# Altium PCB LPCXpresso55SXX.PcbDoc (part 1 of 4) (continued)
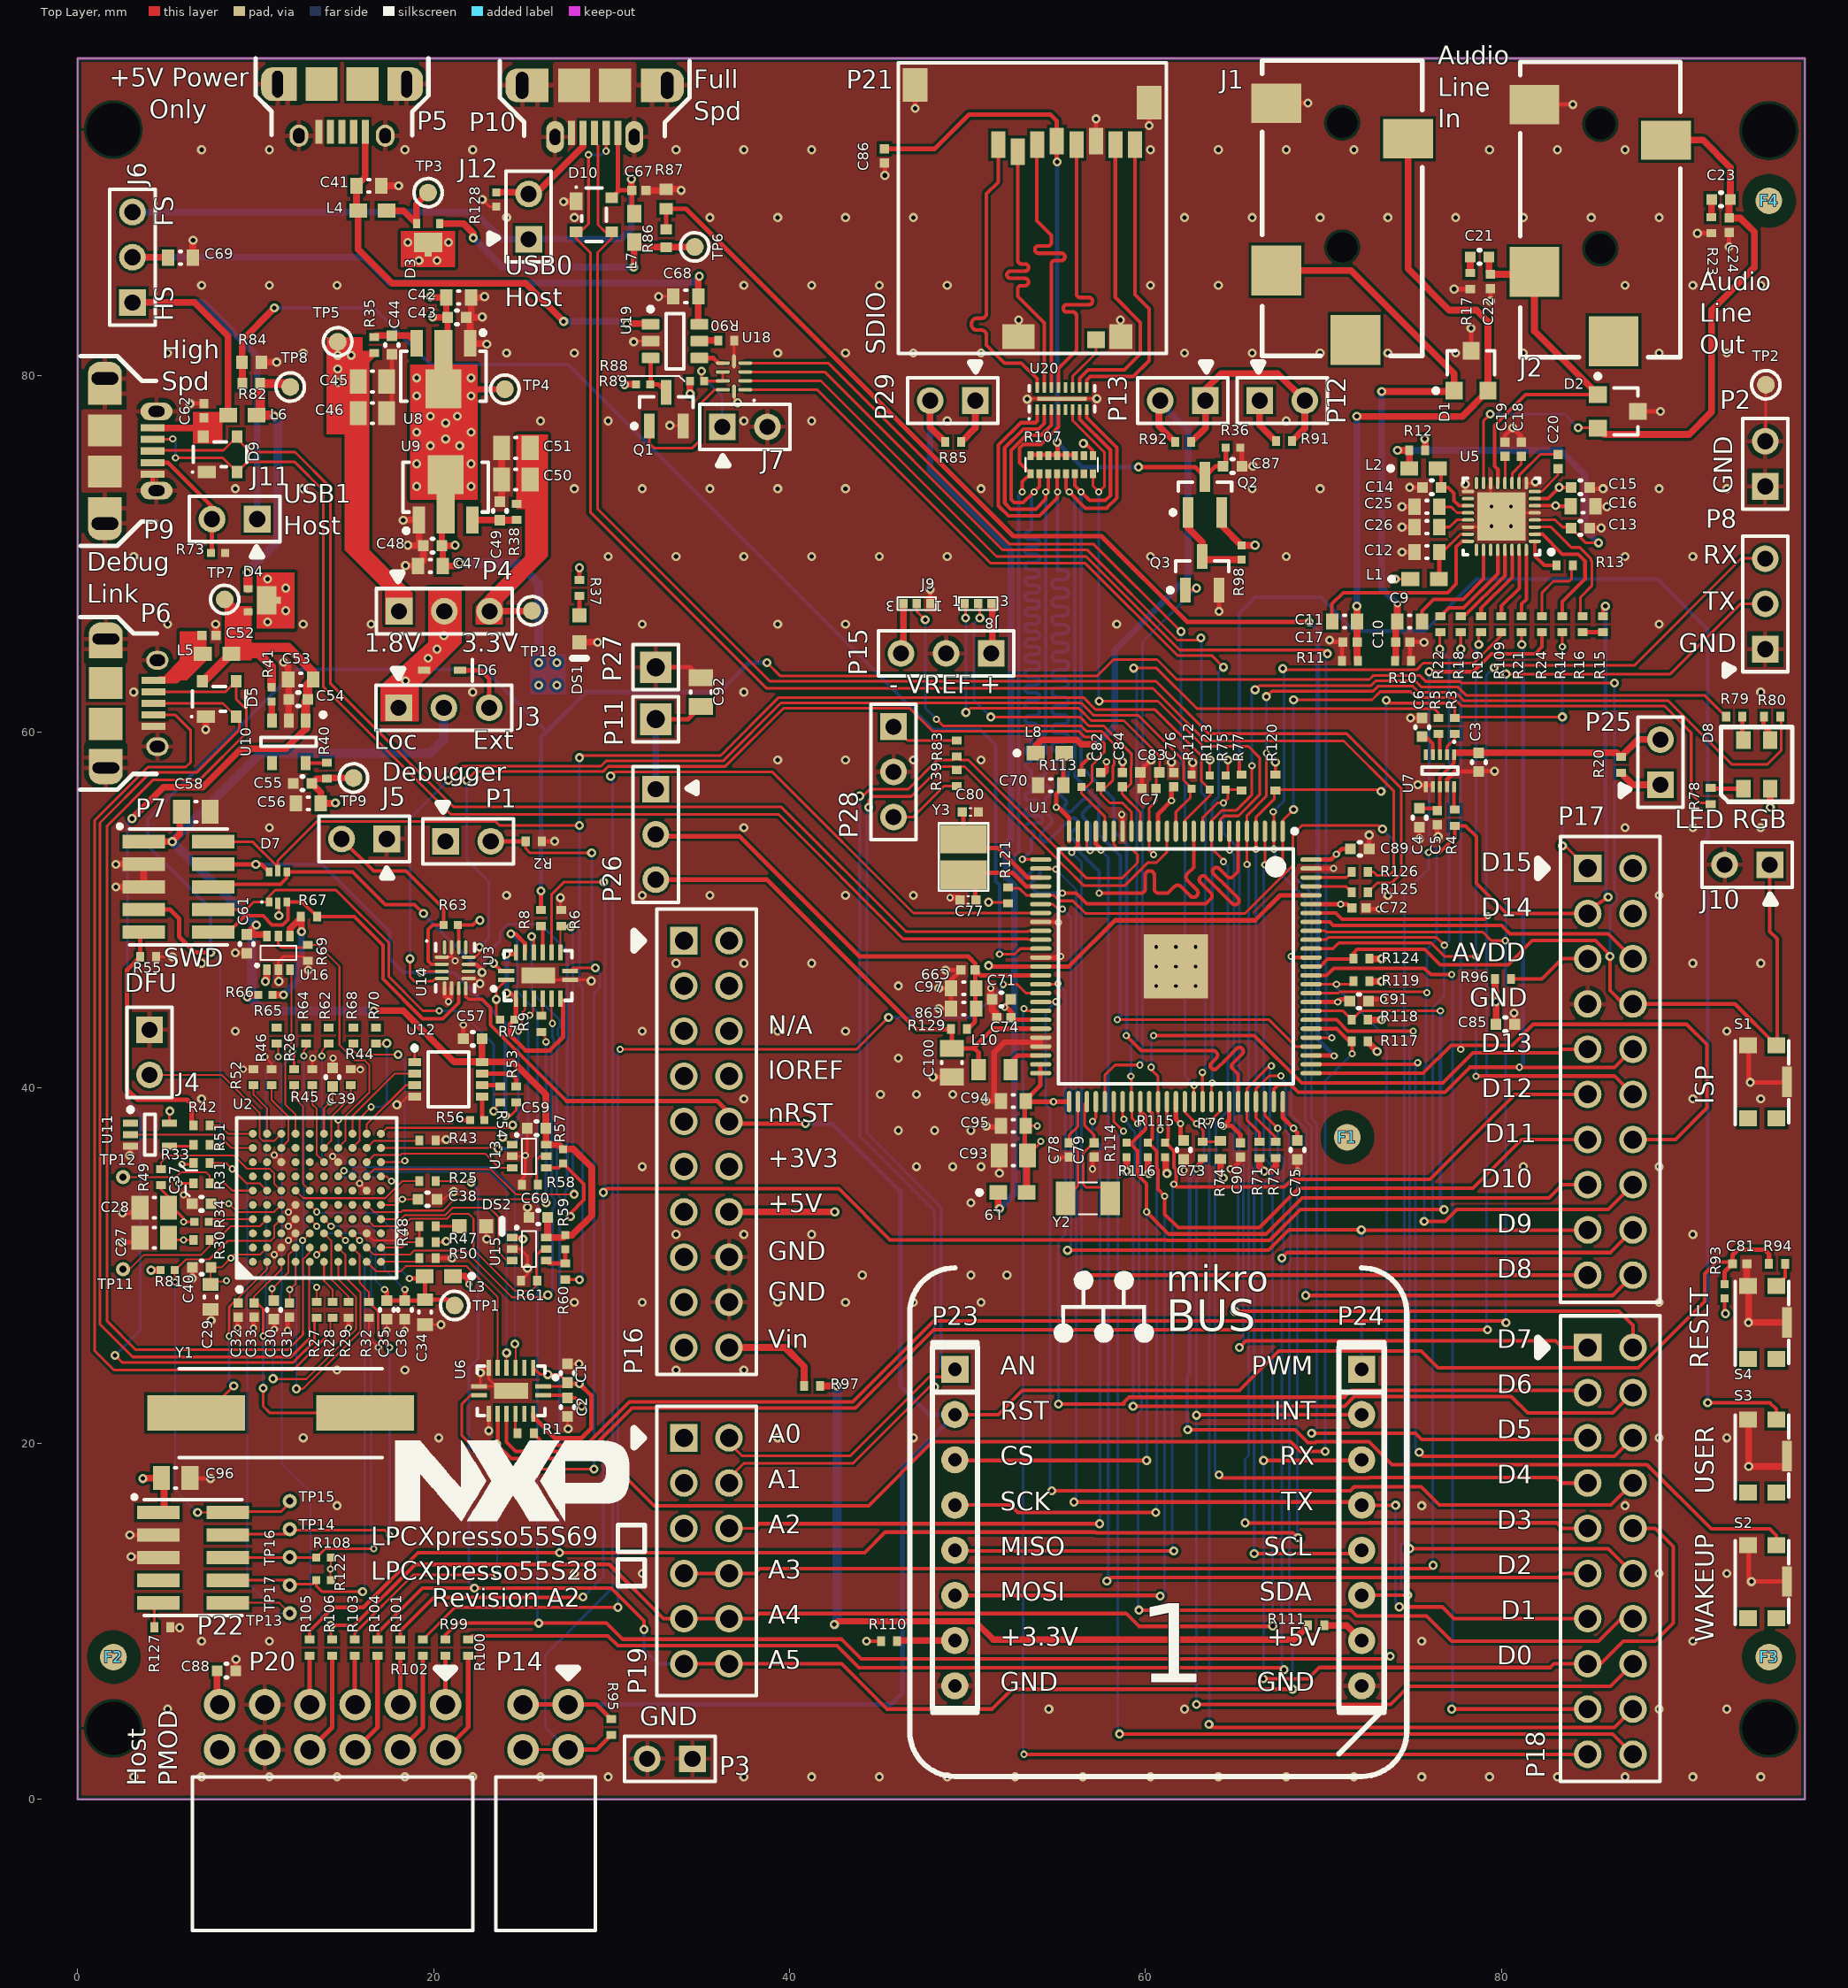
[diagram p0: Top Layer view]
## Components (designator, comment, footprint, x,y, rotation, side; value= is the part's Value field where it differs from the comment) (continued)
R26 "Jumper" RESC0402(1005)_L 12.16,40.588 r90 top value="0 Ohm"
R27 "470R 5% 0402(1005)" RESC0402(1005)_L 13.43,27.507 r270 top value="470 Ohm"
R28 "Jumper 0402(1005)" RESC0402(1005)_L 14.319,27.507 r90 top value="0 Ohm"
R29 "12K1 1% 0402(1005)" RESC0402(1005)_L 15.208,27.507 r270 top value="12100 Ohm"
R30 "12K1 1% 0402(1005)" RESC0402(1005)_L 6.953,31.444 r180 top value="12100 Ohm"
R31 "12K1 1% 0402(1005)" RESC0402(1005)_L 6.953,34.619 r0 top value="12100 Ohm"
R32 "2K2 1% 0402(1005)" RESC0402(1005)_L 16.351,27.507 r90 top value="2200 Ohm"
R33 "12K1 1% 0402(1005)" RESC0402(1005)_L 6.953,35.762 r180 top value="12100 Ohm"
R34 "ERJ-2RKF1003X" RESC1005X40X25LL05T05 6.953,32.46 r0 top value="100K Ohm"
R35 "Jumper" RESC0402(1005)_L 16.662,81.737 r90 top value="0 Ohm"
R36 "ERJ-2RKF1003X" RESC1005X40X25LL05T05 64.922,75.971 r180 top value="100K Ohm"
R37 "2K2 1% 0402(1005)" RESC0402(1005)_L 28.194,68.09 r90 top value="2200 Ohm"
R38 "Jumper" RESC0402(1005)_L 24.663,72.365 r270 top value="0 Ohm"
R39 "Jumper" RESC0402(1005)_L 49.403,57.404 r270 top value="0 Ohm"
R40 "Jumper" RESC0402(1005)_L 13.995,57.81 r90 top value="0 Ohm"
R41 "ERJ-2RKF1003X" RESC1005X40X25LL05T05 10.897,62.103 r270 top value="100K Ohm"
R42 "1K5 1% 0402(1005)" RESC0402(1005)_L 6.953,37.87 r0 top value="1500 Ohm"
R43 "2K2 1% 0402(1005)" RESC0402(1005)_L 19.653,37.032 r180 top value="2200 Ohm"
R44 "2K2 1% 0402(1005)" RESC0402(1005)_L 15.335,40.588 r270 top value="2200 Ohm"
R45 "2K2 1% 0402(1005)" RESC0402(1005)_L 13.176,40.588 r270 top value="2200 Ohm"
R46 "2K2 1% 0402(1005)" RESC0402(1005)_L 10.89,40.588 r270 top value="2200 Ohm"
R47 "2K2 1% 0402(1005)" RESC0402(1005)_L 19.653,31.317 r0 top value="2200 Ohm"
R48 "2K2 1% 0402(1005)" RESC0402(1005)_L 19.653,32.206 r180 top value="2200 Ohm"
R49 "2K2 1% 0402(1005)" RESC0402(1005)_L 4.674,34.976 r270 top value="2200 Ohm"
R50 "2K2 1% 0402(1005)" RESC0402(1005)_L 19.653,30.428 r0 top value="2200 Ohm"
R51 "100R 5% 0402(1005)" RESC0402(1005)_L 6.953,36.778 r0 top value="100 Ohm"
R52 "2K2 1% 0402(1005)" RESC0402(1005)_L 9.874,40.588 r90 top value="2200 Ohm"
R53 "100R 5% 0402(1005)" RESC0402(1005)_L 24.638,39.624 r270 top value="100 Ohm"
R54 "100R 5% 0402(1005)" RESC0402(1005)_L 23.749,39.624 r270 top value="100 Ohm"
R55 "Jumper" RESC0402(1005)_L 3.949,47.346 r180 top value="0 Ohm"
R56 "ERJ-2RKF1003X" RESC1005X40X25LL05T05 22.447,38.175 r0 top value="100K Ohm"
R57 "ERJ-2RKF1003X" RESC1005X40X25LL05T05 27.273,36.143 r90 top value="100K Ohm"
R58 "Jumper 0402(1005)" RESC0402(1005)_L 25.4,34.544 r0 top value="0 Ohm"
R59 "ERJ-2RKF1003X" RESC1005X40X25LL05T05 27.4,31.317 r90 top value="100K Ohm"
R60 "100R 5% 0402(1005)" RESC0402(1005)_L 27.4,29.666 r270 top value="100 Ohm"
R61 "2K2 1% 0402(1005)" RESC0402(1005)_L 25.368,29.158 r0 top value="2200 Ohm"
R62 "Jumper" RESC0402(1005)_L 14.097,42.926 r90 top value="0 Ohm"
R63 "ERJ-2RKF1003X" RESC1005X40X25LL05T05 20.955,49.149 r0 top value="100K Ohm"
R64 "Jumper" RESC0402(1005)_L 12.827,42.926 r90 top value="0 Ohm"
R65 "Jumper" RESC0402(1005)_L 11.176,42.926 r90 top value="0 Ohm"
R66 "ERJ-2RKF1003X" RESC1005X40X25LL05T05 10.541,45.212 r180 top value="100K Ohm"
R67 "100R 5% 0402(1005)" RESC0402(1005)_L 12.991,49.605 r0 top value="100 Ohm"
R68 "Jumper" RESC0402(1005)_L 15.494,42.926 r90 top value="0 Ohm"
R69 "2K2 1% 0402(1005)" RESC0402(1005)_L 12.922,47.573 r90 top value="2200 Ohm"
R70 "Jumper" RESC0402(1005)_L 16.764,42.926 r90 top value="0 Ohm"
R71 "2K2 1% 0402(1005)" RESC0402(1005)_L 66.414,36.5 r270 top value="2200 Ohm"
R72 "2K2 1% 0402(1005)" RESC0402(1005)_L 67.329,36.5 r270 top value="2200 Ohm"
R73 "ERJ-2RKF1003X" RESC1005X40X25LL05T05 7.874,70.053 r180 top value="100K Ohm"
R74 "330K 1% 0402(1005)" RESC0402(1005)_N 64.205,36.5 r270 top value="330K Ohm"
R75 "ERJ-2RKF1003X" RESC1005X40X25LL05T05 64.516,57.15 r90 top value="100K Ohm"
R76 "100R 5% 0402(1005)" RESC0402(1005)_L 63.214,36.5 r90 top value="100 Ohm"
R77 "100R 5% 0402(1005)" RESC0402(1005)_L 65.405,57.15 r270 top value="100 Ohm"
R78 "270R 1% 0402(1005)" RESC0402(1005)_L 91.77,56.388 r90 top value="270 Ohm"
R79 "270R 1% 0402(1005)" RESC0402(1005)_L 93.091,60.858 r0 top value="270 Ohm"
R80 "499R 1% 0402(1005)" RESC0402(1005)_L 95.225,60.858 r180 top value="499 Ohm"
R81 "ERJ-2RKF1003X" RESC1005X40X25LL05T05 5.048,29.742 r180 top value="100K Ohm"
R82 "10K 1% 0402(1005)" RESC0402(1005)_N 9.754,79.572 r180 top value="10K Ohm"
R83 "Jumper" RESC0402(1005)_L 49.403,59.055 r90 top value="0 Ohm"
R84 "20K 1% 0402(1005)" RESC0402(1005)_M 9.779,80.772 r180 top value="20K Ohm"
R85 "Jumper" RESC0402(1005)_L 49.2,76.277 r180 top value="0 Ohm"
R86 "10K 1% 0402(1005)" RESC0402(1005)_N 33.071,87.732 r90 top value="10K Ohm"
R87 "20K 1% 0402(1005)" RESC0402(1005)_M 33.064,89.941 r270 top value="20K Ohm"
R88 "ERJ-2RKF1003X" RESC1005X40X25LL05T05 34.798,79.705 r180 top value="100K Ohm"
R89 "ERJ-2RKF1003X" RESC1005X40X25LL05T05 31.775,79.527 r180 top value="100K Ohm"
R90 "47K 1% 0402(1005)" RESC0402(1005)_L 36.449,81.991 r0 top value="47K Ohm"
R91 "2R43 1% 0402(1005)" RESC0402(1005)_L 67.786,76.327 r0 top value="2.43 Ohm"
R92 "Jumper" RESC0402(1005)_L 62.121,76.277 r0 top value="0 Ohm"
R93 "ERJ-2RKF1003X" RESC1005X40X25LL05T05 92.551,28.566 r270 top value="100K Ohm"
R94 "100R 5% 0402(1005)" RESC0402(1005)_L 95.5,30.1 r0 top value="100 Ohm"
R95 "Jumper" RESC0402(1005)_L 29.972,4.064 r90 top value="0 Ohm"
R96 "Jumper" RESC0402(1005)_L 80.105,46.101 r180 top value="0 Ohm"
R97 "Jumper" RESC0402(1005)_L 41.275,23.241 r180 top value="0 Ohm"
R98 "ERJ-2RKF1003X" RESC1005X40X25LL05T05 65.405,70.072 r90 top value="100K Ohm"
R99 "100R 5% 0402(1005)" RESC0402(1005)_L 20.665,8.534 r270 top value="100 Ohm"
R100 "100R 5% 0402(1005)" RESC0402(1005)_L 21.939,8.534 r90 top value="100 Ohm"
R101 "100R 5% 0402(1005)" RESC0402(1005)_L 18.118,8.534 r270 top value="100 Ohm"
R102 "100R 5% 0402(1005)" RESC0402(1005)_L 19.392,8.534 r90 top value="100 Ohm"
R103 "100R 5% 0402(1005)" RESC0402(1005)_L 15.571,8.534 r270 top value="100 Ohm"
R104 "100R 5% 0402(1005)" RESC0402(1005)_L 16.844,8.534 r90 top value="100 Ohm"
R105 "100R 5% 0402(1005)" RESC0402(1005)_L 13.024,8.534 r270 top value="100 Ohm"
R106 "100R 5% 0402(1005)" RESC0402(1005)_L 14.297,8.534 r90 top value="100 Ohm"
R107 "EXB-2HV473JV" EXB-2HV473JV 55.295,75.007 r0 top value="47K Ohm"
R108 "ERJ-2RKF1003X" RESC1005X40X25LL05T05 13.811,13.589 r0 top value="100K Ohm"
R109 "Jumper" RESC0402(1005)_L 80.01,66.04 r270 top value="0 Ohm"
R110 "Jumper" RESC0402(1005)_L 45.593,8.89 r0 top value="0 Ohm"
R111 "Jumper" RESC0402(1005)_L 69.596,9.779 r0 top value="0 Ohm"
R112 "ERJ-2RKF1003X" RESC1005X40X25LL05T05 62.6,57.2 r270 top value="100K Ohm"
R113 "ERJ-2RKF1003X" RESC1005X40X25LL05T05 56.4,57.3 r90 top value="100K Ohm"
R114 "ERJ-2RKF1003X" RESC1005X40X25LL05T05 58.947,36.5 r270 top value="100K Ohm"
R115 "ERJ-2RKF1003X" RESC1005X40X25LL05T05 61.112,36.5 r270 top value="100K Ohm"
R116 "ERJ-2RKF1003X" RESC1005X40X25LL05T05 60.147,36.5 r270 top value="100K Ohm"
R117 "2K2 1% 0402(1005)" RESC0402(1005)_L 72.053,42.596 r0 top value="2200 Ohm"
R118 "2K2 1% 0402(1005)" RESC0402(1005)_L 72.053,43.815 r0 top value="2200 Ohm"
R119 "2K2 1% 0402(1005)" RESC0402(1005)_L 72.136,45.974 r0 top value="2200 Ohm"
R120 "2K2 1% 0402(1005)" RESC0402(1005)_L 67.31,57.15 r90 top value="2200 Ohm"
R121 "2K2 1% 0402(1005)" RESC0402(1005)_L 52.292,50.8 r270 top value="2200 Ohm"
R122 "ERJ-2RKF1003X" RESC1005X40X25LL05T05 13.811,12.319 r0 top value="100K Ohm"
R123 "ERJ-2RKF1003X" RESC1005X40X25LL05T05 63.627,57.15 r90 top value="100K Ohm"
R124 "2K2 1% 0402(1005)" RESC0402(1005)_L 72.136,47.244 r180 top value="2200 Ohm"
R125 "33R 1% 0402(1005)" RESC0402(1005)_L 72.053,50.978 r180 top value="33 Ohm"
R126 "33R 1% 0402(1005)" RESC0402(1005)_L 72.053,52.121 r180 top value="33 Ohm"
R127 "Jumper" RESC0402(1005)_L 4.743,9.677 r180 top value="0 Ohm"
R128 "ERJ-2RKF1003X" RESC1005X40X25LL05T05 23.52,89.916 r90 top value="100K Ohm"
R129 "Jumper" RESC0402(1005)_L 49.53,43.307 r180 top value="0 Ohm"
S1 "KMR221GLFS" KMR221GLFS 94.662,40.331 r270 top
S2 "KMR221GLFS" KMR221GLFS 94.662,12.243 r270 top
S3 "KMR221GLFS" KMR221GLFS 94.662,19.3 r270 top
S4 "KMR221GLFS" KMR221GLFS 94.662,26.805 r270 top
TP1 "TP 1mm" "SMT Test Point" 21.177,27.761 r0 top
TP2 "TP 1mm" "SMT Test Point" 94.869,79.502 r90 top
TP3 "TP 1mm" "SMT Test Point" 19.685,90.297 r90 top
TP4 "TP 1mm" "SMT Test Point" 24.003,79.248 r90 top
TP5 "TP 1mm" "SMT Test Point" 14.605,81.915 r90 top
TP6 "TP 1mm" "SMT Test Point" 34.671,87.249 r90 top
TP7 "TP 1mm" "SMT Test Point" 8.255,67.437 r90 top
TP8 "TP 1mm" "SMT Test Point" 11.938,79.375 r90 top
TP9 "TP 1mm" "SMT Test Point" 15.494,57.404 r270 top
TP11 "TPAD 0.8mm" "TH Test Pad 0.8mm" 2.54,29.794 r90 top locked
TP12 "TPAD 0.8mm" "TH Test Pad 0.8mm" 2.54,34.976 r90 top
TP13 "TPAD 0.8mm" "TH Test Pad 0.8mm" 11.913,10.465 r90 top
TP14 "TPAD 0.8mm" "TH Test Pad 0.8mm" 11.913,15.189 r90 top
TP15 "TPAD 0.8mm" "TH Test Pad 0.8mm" 11.913,16.764 r90 top
TP16 "TPAD 0.8mm" "TH Test Pad 0.8mm" 11.913,13.614 r90 top
TP17 "TPAD 0.8mm" "TH Test Pad 0.8mm" 11.913,12.04 r90 top
TP18 "TP 1mm" "SMT Test Point" 25.527,66.802 r90 top
U1 "LPC5500" "LQFP EP 100" 61.715,46.812 r270 top locked
U2 "LPC4322JET100E" BGA100_9x9x1.2mm 13.436,33.813 r90 top
U3 "74AVC4TD245BQ" "DHVQFN16 (NXP)" 25.876,46.303 r0 top
U5 "WM8904CGEFL/V" "QFN-32 4x4x0.75" 80.005,72.101 r180 top
U6 "74AVC4TD245BQ" "DHVQFN16 (NXP)" 24.347,22.965 r180 top
U7 "MMA8652FCR1" FRES-2162-02_V 76.556,57.81 r270 top
U8 "XC6214P182PR-G" SOT-89-3 20.549,80.55 r180 top
U9 "XC6214P332PR-G" SOT-89-3 20.674,73.173 r0 top
U10 "XC6223H251MR-G" SOT25 11.855,59.436 r270 top
U11 "74LVC1G07GW-Q100H" SOT353 4.057,37.362 r0 top
U12 "74AVC2T45DP,125" TSSOP8 20.831,40.468 r0 top
U13 "74LVC1T45GW,125" SOT-363 25.368,36.143 r270 top
U14 "NX3DV2567GU,115" XQFN16 21.209,46.736 r0 top
U15 "74LVC1T45GW,125" SOT-363 25.368,30.936 r270 top
U16 "74LVC1T45GW,125" SOT-363 11.271,47.573 r0 top
U18 "NX3L2267GM,115" XQFN10 36.881,79.971 r180 top
U19 "TPS2553DBVR-1" DBV0006A_N 33.562,81.951 r0 top
U20 "IP4252CZ16-8-TTL,1" HUSON16 55.314,78.715 r90 top
Y1 "ABLS2-12.000MHZ-D4Y-T" "2-LEAD 11.4X4.8" 11.398,21.716 r0 top value=12MHZ
Y2 "NX3215SA-32.768K-STD-MUS-2" "2-SMD 3.2x1.5mm" 56.769,33.782 r0 top value=32.768KHz
Y3 "CX3225GA16000D0PTVCC" CX3225GA 49.784,52.959 r90 top value=16MHZ

## Footprints (in the part's own frame and the unit in brackets; to place one, negate y for a bottom-side part, rotate by r counter-clockwise, add the part's x,y. Pads: shape width x height; smd on the part's side, far side on the other; paste and mask are expansions set on the pad)
"2-LEAD 11.4X4.8" [mm] "11.4x4.8mm Body; 9.5mm Pitch"
  rect 5.5x2 smd: 1(-4.75,0) 2(4.75,0)
  silkscreen extent -5.7,-2.5 5.7,2.5, body extent -6.35,-2.35 6.35,2.35, height 3.16
"2-SMD 3.2x1.5mm" [mm] "3.2x1.5mm Body; 2.4mm Pitch"
  rect 1.1x1.9 smd paste+0 mask+0.05: 1(-1.25,0) 2(1.25,0)
  silkscreen extent -0.5,-0.9 0.5,0.9, body extent -1.6,-0.75 1.6,0.75, height 0.95
0402_L [mm] "1.0 x 0.5mm Body; 1.3mm Pitch"
  rect 0.52x0.52 smd paste+0 mask+0.05: 1(-0.45,0) 2(0.45,0)
  silkscreen extent -0.05,-0.21 0.05,0.21, body extent -0.5,-0.25 0.5,0.25, height 0.55
"0402_R - JMP" [mil] "1.0 x 0.5mm Body; 1.3mm Pitch"
  rect 18x20 smd paste+0 mask+2: 1(-29.53,0) 2(0,0) 3(29.53,0)
  silkscreen extent -43,-14 43,14, body extent -34,-10 5,10, height 24
0805(2012) [mm] "0805(2015Metric)"
  rect 0.8x1.2 smd: 1(-0.9,0) 2(0.9,0)
  body extent -1,-0.63 1,0.63, height 1.8
0473521001 [mm] "8 (6 + 2) Position Card Connector Secure Digital - microSD?Surface Mount, Right Angle Gold"
  rect 0.8x1.5 smd: 1(1.887,-3.252) 2(0.787,-2.852) 3(-0.313,-3.252) 4(-1.413,-3.452) 5(-2.513,-3.252) 6(-3.613,-3.452) 7(-4.713,-3.252) 8(-5.813,-3.252)
  rect 1.4x1.9 smd: 9(-6.603,-5.611) 9(6.547,-6.611)
  rect 1.3x1.4 smd: 9(-5.003,7.539)
  rect 1.8x1.4 smd: 9(0.747,7.539)
  rect 1x0.95 smd: 10(-3.613,7.7)
  silkscreen extent -7.56,-7.86 7.49,8.49, body extent -7.13,-7.22 6.97,7.98, height 1.94
61300211121 [mm] "5.08x2.54mm Body; 2.54mm Pitch"
  rect 1.5x1.5 hole 0.9: 1(-1.27,0)
  round 1.5 hole 0.9: 2(1.27,0)
  silkscreen extent -2.54,-1.27 2.54,1.27, body extent -2.54,-1.27 2.54,1.27, height 8.54
61300311121 [mm] "7.62x2.54mm Body; 2.54mm Pitch"
  rect 1.5x1.5 hole 0.9: 1(-2.54,0)
  round 1.5 hole 0.9: 2(0,0) 3(2.54,0)
  silkscreen extent -3.81,-1.27 3.81,1.27, body extent -3.81,-1.27 3.81,1.27, height 8.54
BGA100_9x9x1.2mm [mm] "BGA, 100-Leads, Body 9.00x9.00mmx1.20mm, Pitch 0.80mm"
  round 0.45 smd: A1(-3.6,3.6) A2(-2.8,3.6) A3(-2,3.6) A4(-1.2,3.6) A5(-0.4,3.6) A6(0.4,3.6) A7(1.2,3.6) A8(2,3.6) A9(2.8,3.6) A10(3.6,3.6) B1(-3.6,2.8) B2(-2.8,2.8) B3(-2,2.8) B4(-1.2,2.8) B5(-0.4,2.8) B6(0.4,2.8) B7(1.2,2.8) B8(2,2.8) B9(2.8,2.8) B10(3.6,2.8) C1(-3.6,2) C2(-2.8,2) C3(-2,2) C4(-1.2,2) C5(-0.4,2) C6(0.4,2) C7(1.2,2) C8(2,2) C9(2.8,2) C10(3.6,2) D1(-3.6,1.2) D2(-2.8,1.2) D3(-2,1.2) D4(-1.2,1.2) D5(-0.4,1.2) D6(0.4,1.2) D7(1.2,1.2) D8(2,1.2) D9(2.8,1.2) D10(3.6,1.2) E1(-3.6,0.4) E2(-2.8,0.4) E3(-2,0.4) E4(-1.2,0.4) E5(-0.4,0.4) E6(0.4,0.4) E7(1.2,0.4) E8(2,0.4) E9(2.8,0.4) E10(3.6,0.4) F1(-3.6,-0.4) F2(-2.8,-0.4) F3(-2,-0.4) F4(-1.2,-0.4) F5(-0.4,-0.4) F6(0.4,-0.4) F7(1.2,-0.4) F8(2,-0.4) F9(2.8,-0.4) F10(3.6,-0.4) G1(-3.6,-1.2) G2(-2.8,-1.2) G3(-2,-1.2) G4(-1.2,-1.2) G5(-0.4,-1.2) G6(0.4,-1.2) G7(1.2,-1.2) G8(2,-1.2) G9(2.8,-1.2) G10(3.6,-1.2) H1(-3.6,-2) H2(-2.8,-2) H3(-2,-2) H4(-1.2,-2) H5(-0.4,-2) H6(0.4,-2) H7(1.2,-2) H8(2,-2) H9(2.8,-2) H10(3.6,-2) J1(-3.6,-2.8) J2(-2.8,-2.8) J3(-2,-2.8) J4(-1.2,-2.8) J5(-0.4,-2.8) J6(0.4,-2.8) J7(1.2,-2.8) J8(2,-2.8) J9(2.8,-2.8) J10(3.6,-2.8) K1(-3.6,-3.6) K2(-2.8,-3.6) K3(-2,-3.6) K4(-1.2,-3.6) K5(-0.4,-3.6) K6(0.4,-3.6) K7(1.2,-3.6) K8(2,-3.6) K9(2.8,-3.6) K10(3.6,-3.6)
  silkscreen extent -5.27,-4.5 4.5,4.5, body extent -4.5,-4.5 4.5,4.5, height 1.2
CAPC0402(1005)60_L [mm] "Chip Capacitor, Body 1.0x0.5mm, Height 0.6mm, IPC High Density"
  rect 0.52x0.52 smd: 1(-0.4,0) 2(0.4,0)
  body extent -0.55,-0.3 0.55,0.3, height 0.6
CAPC0603(1608)100_L [mm] "Chip Capacitor, Body 1.6x0.8mm, Height 1.0mm, IPC High Density"
  rect 0.7x0.9 smd: 1(-0.7,0) 2(0.7,0)
  silkscreen extent -0.05,-0.35 0.05,0.35, body extent -0.87,-0.47 0.88,0.48, height 1
CAPC0805(2012)145_L [mm] "Chip Capacitor, Body 2.0x1.2mm, Height 1.45mm, IPC High Density"
  rect 0.95x1.35 smd: 1(-0.8,0) 2(0.8,0)
  silkscreen extent -0.05,-0.58 0.05,0.58, body extent -1.1,-0.72 1.1,0.72, height 1.45
CAPC1005 [mm] "Chip Capacitor 1005"
  rect 0.6x0.6 smd: 1(-0.525,0) 2(0.525,0)
  silkscreen extent -0.05,-0.38 0.05,0.38, body extent -0.57,-0.3 0.57,0.3, height 0.2
CX3225GA [mm] "Crystal Kyocera CX3225GA series"
  rect 1.6x2.6 smd: 1(-1,0) 2(1,0)
  silkscreen extent -1.9,-1.4 1.9,1.4, body extent -1.6,-1.25 1.6,1.25, height 0.85
DBV0006A_N [mm] "SOT23, 6-Leads, Body 3.05x1.75mm, Pitch 0.95mm, IPC Medium Density"
  rrect17% 1x0.6 smd: 1(-1.375,0.95) 2(-1.375,0) 3(-1.375,-0.95) 4(1.375,-0.95) 5(1.375,0) 6(1.375,0.95)
  silkscreen extent -1.5,-1.55 0.5,1.92, body extent -1.42,-1.46 1.42,1.46, height 1.11
"DHVQFN16 (NXP)" [mm] "3.5x2.5mm Body, 0.5mm Pitch, Thermal Pad 2x1mm"
  rect 0.9x0.24 smd mask+0.05: 1(-1.8,-0.25) 8(1.8,-0.25) 9(1.8,0.25) 16(-1.8,0.25)
  rect 0.24x0.9 smd mask+0.05: 2(-1.25,-1.3) 3(-0.75,-1.3) 4(-0.25,-1.3) 5(0.25,-1.3) 6(0.75,-1.3) 7(1.25,-1.3) 10(1.25,1.3) 11(0.75,1.3) 12(0.25,1.3) 13(-0.25,1.3) 14(-0.75,1.3) 15(-1.25,1.3)
  rect 1.9x0.9 smd paste-0.25 mask+0.05: 17(0,0)
  silkscreen extent -2.6,-1.4 1.9,1.4, body extent -1.75,-1.25 1.75,1.25, height 1
EXB-2HV473JV [mm] "Array Res"
  rect 0.35x0.5 smd: 1(-1.75,-0.5) 2(-1.25,-0.5) 3(-0.75,-0.5) 4(-0.25,-0.5) 5(0.25,-0.5) 6(0.75,-0.5) 7(1.25,-0.5) 8(1.75,-0.5) 9(1.75,0.5) 10(1.25,0.5) 11(0.75,0.5) 12(0.25,0.5) 13(-0.25,0.5) 14(-0.75,0.5) 15(-1.25,0.5) 16(-1.75,0.5)
  silkscreen extent -2.03,-0.38 2.03,0.38, body extent -1.96,-0.52 1.96,0.52, height 0.46
"Fiducial 1.5mm" [mm] "Fiducial 1.5mm"
  round 1.5 smd paste-0.508 mask+0.75: 1(0,0)
  body extent -1.49,-1.5 1.5,1.5, height 0.3
FRES-2162-02_V [mm] "SON, 10-Leads, Body 2x2mm, Pitch 0.4mm"
  rect 0.6x0.225 smd mask-1: 1(-0.9,0.8) 2(-0.9,0.4) 3(-0.9,0) 4(-0.9,-0.4) 5(-0.9,-0.8) 6(0.9,-0.8) 7(0.9,-0.4) 8(0.9,0) 9(0.9,0.4) 10(0.9,0.8)
  silkscreen extent -1.69,-1 0.2,1, body extent -1,-1 1,1, height 1
FTSH-105-01-L-DV-K [mm] "SMD Header 10 Pos, 3.05 mating lenght, 6.35x5.05mm"
  rect 0.76x2.4 smd: 1(-2.54,-1.95) 2(-2.54,1.95) 3(-1.27,-1.95) 4(-1.27,1.95) 5(0,-1.95) 6(0,1.95) 7(1.27,-1.95) 8(1.27,1.95) 9(2.54,-1.95) 10(2.54,1.95)
  silkscreen extent -3.5,-3.4 3.25,2.75, body extent -3.17,-2.92 3.18,2.92, height 6.12
HDR1X1 [mil] "Connector; Header; 1 Position"
  rect 70x70 hole 40: 1(0,0)
  silkscreen extent -50,-50 50,50
"Header 8x1" [mil] "8 pin header .100\""
  rect 60x60 hole 30: 1(-350,0)
  round 60 hole 30: 2(-250,0) 3(-150,0) 4(-50,0) 5(50,0) 6(150,0) 7(250,0) 8(350,0)
  silkscreen extent -410,-50 410,50, body extent -410,-50 410,50, height 335
HUSON16 [mm] "SON, 16-Leads, Body 3.30x1.35mm, Pitch 0.40mm, Thermal Pad 2.80x0.24mm, IPC High Density"
  rect 0.6x0.2 smd: 1(-0.62,1.4) 2(-0.62,1) 3(-0.62,0.6) 4(-0.62,0.2) 5(-0.62,-0.2) 6(-0.62,-0.6) 7(-0.62,-1) 8(-0.62,-1.4) 9(0.62,-1.4) 10(0.62,-1) 11(0.62,-0.6) 12(0.62,-0.2) 13(0.62,0.2) 14(0.62,0.6) 15(0.62,1) 16(0.62,1.4)
  rect 0.24x2.8 smd: 17(0,0)
  silkscreen extent -1.17,-1.85 0.73,1.9, body extent -0.73,-1.7 0.73,1.7, height 0.55
KMR221GLFS [mm] "4.60mm x 2.80mm"
  rect 0.9x1 smd: 1(-2.05,0.8) 2(-2.05,-0.8) 3(2.05,-0.8) 4(2.05,0.8)
  rect 1.7x0.55 smd: 5(0,1.4)
  silkscreen extent -2.3,-1.5 2.4,1.5, body extent -2.3,-1.4 2.3,1.4, height 1.92
LIRD-HZ0603C601R-10-2_V [mm] "SMD, 2-Leads, Body 1.6x0.8mm"
  rect 1x0.8 smd: 1(-0.8,0) 2(0.8,0)
  body extent -0.8,-0.4 0.8,0.4, height 0.95
LIRD-MI0603J601R-10_V [mm] "SMD, 2-Leads, Body 1.6x0.8mm"
  rect 1x0.8 smd: 1(-0.8,0) 2(0.8,0)
  silkscreen extent -1.97,-0.12 -1.72,0.12, body extent -0.8,-0.4 0.8,0.4, height 0.95
"LQFP EP 100" [mm] "LQFP EP 100 pin NXP 14x14x1.4 0.5mm pitch"
  oval 1.2x0.25 smd: 1(-7.6,6) 2(-7.6,5.5) 3(-7.6,5) 4(-7.6,4.5) 5(-7.6,4) 6(-7.6,3.5) 7(-7.6,3) 8(-7.6,2.5) 9(-7.6,2) 10(-7.6,1.5) 11(-7.6,1) 12(-7.6,0.5) 13(-7.6,0) 14(-7.6,-0.5) 15(-7.6,-1) 16(-7.6,-1.5) 17(-7.6,-2) 18(-7.6,-2.5) 19(-7.6,-3) 20(-7.6,-3.5) 21(-7.6,-4) 22(-7.6,-4.5) 23(-7.6,-5) 24(-7.6,-5.5) 25(-7.6,-6) 51(7.6,-6) 52(7.6,-5.5) 53(7.6,-5) 54(7.6,-4.5) 55(7.6,-4) 56(7.6,-3.5) 57(7.6,-3) 58(7.6,-2.5) 59(7.6,-2) 60(7.6,-1.5) 61(7.6,-1) 62(7.6,-0.5) 63(7.6,0) 64(7.6,0.5) 65(7.6,1) 66(7.6,1.5) 67(7.6,2) 68(7.6,2.5) 69(7.6,3) 70(7.6,3.5) 71(7.6,4) 72(7.6,4.5) 73(7.6,5) 74(7.6,5.5) 75(7.6,6)
  oval 0.25x1.2 smd: 26(-6,-7.6) 27(-5.5,-7.6) 28(-5,-7.6) 29(-4.5,-7.6) 30(-4,-7.6) 31(-3.5,-7.6) 32(-3,-7.6) 33(-2.5,-7.6) 34(-2,-7.6) 35(-1.5,-7.6) 36(-1,-7.6) 37(-0.5,-7.6) 38(0,-7.6) 39(0.5,-7.6) 40(1,-7.6) 41(1.5,-7.6) 42(2,-7.6) 43(2.5,-7.6) 44(3,-7.6) 45(3.5,-7.6) 46(4,-7.6) 47(4.5,-7.6) 48(5,-7.6) 49(5.5,-7.6) 50(6,-7.6) 76(6,7.6) 77(5.5,7.6) 78(5,7.6) 79(4.5,7.6) 80(4,7.6) 81(3.5,7.6) 82(3,7.6) 83(2.5,7.6) 84(2,7.6) 85(1.5,7.6) 86(1,7.6) 87(0.5,7.6) 88(0,7.6) 89(-0.5,7.6) 90(-1,7.6) 91(-1.5,7.6) 92(-2,7.6) 93(-2.5,7.6) 94(-3,7.6) 95(-3.5,7.6) 96(-4,7.6) 97(-4.5,7.6) 98(-5,7.6) 99(-5.5,7.6) 100(-6,7.6)
  rect 3.61x3.61 smd: 101(0,0)
  silkscreen extent -7.72,-6.6 6.6,6.8, body extent -8,-8 8,8, height 1.6
LTST-C191KRKT_V [mm] "SMD, 2-Leads, Body 1.6x0.8mm"
  rect 0.8x0.8 smd: 1(-0.75,0) 2(0.75,0)
  silkscreen extent 1.65,-0.4 1.65,0.4, body extent -0.8,-0.4 0.8,0.4, height 0.9
NXP-SOT23_M [mm] "SOT23, 3-Leads, Body 3x1.4mm, Pitch 0.95mm, IPC Low Density"
  rect 1.7x0.6 smd: 1(-1,0.95) 2(-1,-0.95) 3(1,0)
  silkscreen extent -1.12,-1.5 0.7,1.92, body extent -0.7,-1.5 0.7,1.5, height 1.1
NXP-SOT23_N [mm] "SOT23, 3-Leads, Body 3x1.4mm, Pitch 0.95mm, IPC Medium Density"
  rect 1.4x0.6 smd: 1(-0.95,0.95) 2(-0.95,-0.95) 3(0.95,0)
  silkscreen extent -1.07,-1.5 0.7,1.92, body extent -0.7,-1.5 0.7,1.5, height 1.1
NXP-SOT143B-4_V [mm] "SOT143, 4-Leads, Body 3x1.4mm"
  rect 0.7x1 smd: 1(-1,0.75)
  rect 0.7x0.6 smd: 2(-1,-0.95) 3(1,-0.95) 4(1,0.95)
  silkscreen extent -1.05,-1.5 0.7,1.6, body extent -0.7,-1.5 0.7,1.5, height 1.1
PPPC022LJBN-RC [mil] "HEADER 2X2 RA"
  round 70 hole 42.13: 1(-50,250) 2(50,250) 3(-50,150) 4(50,150)
  silkscreen extent -130,90 450,310, body extent -60,90 446,310, height 200
PPPC062LFBN-RC [mm] "PPPC062LFBN-RC"
  rect 1.55x1.55 hole 1.02: 1(-1.27,6.35)
  round 1.55 hole 1.02: 2(1.27,6.35) 3(-1.27,3.81) 4(1.27,3.81) 5(-1.27,1.27) 6(1.27,1.27) 7(-1.27,-1.27) 8(1.27,-1.27) 9(-1.27,-3.81) 10(1.27,-3.81) 11(-1.27,-6.35) 12(1.27,-6.35)
  silkscreen extent -4.06,-8.13 2.79,8.13, body extent -2.54,-7.87 2.54,7.87, height 8.5
PPPC062LJBN-RC [mil] "HEADER 6X2 RA"
  round 70 hole 42.13: 1(-50,250) 2(50,250) 3(-50,150) 4(50,150) 5(-50,50) 6(50,50) 7(-50,-50) 8(50,-50) 9(-50,-150) 10(50,-150) 11(-50,-250) 12(50,-250)
  silkscreen extent -130,-310 450,310, body extent -62,-310 444,310, height 200
PPPC102LFBN-RC [mm] "PPPC102LFBN-RC"
  rect 1.55x1.55 hole 1.02: 1(-1.27,11.43)
  round 1.55 hole 1.02: 2(1.27,11.43) 3(-1.27,8.89) 4(1.27,8.89) 5(-1.27,6.35) 6(1.27,6.35) 7(-1.27,3.81) 8(1.27,3.81) 9(-1.27,1.27) 10(1.27,1.27) 11(-1.27,-1.27) 12(1.27,-1.27) 13(-1.27,-3.81) 14(1.27,-3.81) 15(-1.27,-6.35) 16(1.27,-6.35) 17(-1.27,-8.89) 18(1.27,-8.89) 19(-1.27,-11.43) 20(1.27,-11.43)
  silkscreen extent -4.06,-12.95 2.79,13.21, body extent -2.54,-12.95 2.54,12.95, height 8.5
"QFN-32 4x4x0.75" [mm] "32 PIN QFN PLASTIC PACKAGE 4 X 4 X 0.75 mm BODY, 0.40 mm LEAD PITCH"
  oval 0.7x0.2 smd: 1(-1.875,1.4) 2(-1.875,1) 3(-1.875,0.6) 4(-1.875,0.2) 5(-1.875,-0.2) 6(-1.875,-0.6) 7(-1.875,-1) 8(-1.875,-1.4) 17(1.875,-1.4) 18(1.875,-1) 19(1.875,-0.6) 20(1.875,-0.2) 21(1.875,0.2) 22(1.875,0.6) 23(1.875,1) 24(1.875,1.4)
  oval 0.2x0.7 smd: 9(-1.4,-1.875) 10(-1,-1.875) 11(-0.6,-1.875) 12(-0.2,-1.875) 13(0.2,-1.875) 14(0.6,-1.875) 15(1,-1.875) 16(1.4,-1.875) 25(1.4,1.875) 26(1,1.875) 27(0.6,1.875) 28(0.2,1.875) 29(-0.2,1.875) 30(-0.6,1.875) 31(-1,1.875) 32(-1.4,1.875)
  rect 2.7x2.7 smd: 33(0,0)
  silkscreen extent -2.93,-2.15 2.15,2.15, body extent -2,-2 2,2, height 0.8
RESC0402(1005)_L [mm] "Chip Resistor, Body 1.0x0.5mm, IPC High Density"
  rect 0.45x0.55 smd: 1(-0.45,0) 2(0.45,0)
  body extent -0.52,-0.27 0.53,0.28, height 0.4
RESC0402(1005)_M [mm] "Chip Resistor, Body 1.0x0.5mm, IPC Low Density"
  rect 0.65x0.75 smd: 1(-0.55,0) 2(0.55,0)
  body extent -0.52,-0.28 0.53,0.28, height 0.4
RESC0402(1005)_N [mm] "Chip Resistor, Body 1.0x0.5mm, IPC Medium Density"
  rect 0.55x0.65 smd: 1(-0.5,0) 2(0.5,0)
  body extent -0.52,-0.27 0.53,0.28, height 0.4
RESC1005X40X25LL05T05 [mm] "Chip Resistor, 2-Leads, Body 1.05x0.55mm, IPC High Density"
  rect 0.45x0.45 smd: 1(-0.4,0) 2(0.4,0)
  body extent -0.53,-0.28 0.53,0.28, height 0.4
SJ-3524-SMT-TR [mm] "6.0x14.5mm Body; 3.5mm Audio Jack"
  round 0 hole 1.7 unplated: 0(1.1,0) 0(8.1,0)
  rect 2.2x2.8 smd: 1(0,-3.7) 3(2,3.7)
  rect 2.8x2.8 smd: 2(9.4,-3.7) 4(13.3,0.75)
  silkscreen extent -2.4,-4.5 14.2,4.5, body extent -4.9,-4.5 14.1,4.5, height 5
"SMT Test Point" [mm] "1.0x1.0mm Body"
  round 1 smd paste-0.5: 1(0,0)
  silkscreen extent -0.8,-0.8 0.8,0.8, body extent -0.5,-0.5 0.5,0.5, height 0.1
"SOD-323F, SC90" [mm] "1.35x1.8mm Body; 2mm Pitch"
  rect 0.7x0.4 smd: 1(1,0) 2(-1,0)
  silkscreen extent 1.7,-0.6 1.7,0.6, body extent -0.85,-0.65 0.85,0.65, height 0.7
SOT23-3 [mm] "3.0x2.5mm Body; 1.9mm Pitch; 3.3mm Length"
  rect 0.95x1 smd: 1(-0.95,-1.125) 2(0.95,-1.125) 3(0,1.125)
  silkscreen extent -2.1,-1.25 1.32,1.13, body extent -1.45,-0.65 1.45,0.65, height 1
SOT25 [mm] "2.9x1.6mm Body; 0.95mm Pitch; 2.8mm Length"
  rect 0.8x0.55 smd: 1(-1.2,0.95) 2(-1.2,0) 3(-1.2,-0.95) 4(1.2,-0.95) 5(1.2,0.95)
  silkscreen extent -1.65,-1.55 0.25,2.06, body extent -1.21,-1.5 1.19,1.5, height 1.11
SOT353 [mm] "SOT23, 5-Leads, Body 2.05x2.13mm, Pitch 0.65mm, IPC Medium Density"
  rect 0.85x0.4 smd: 1(-1.1,0.65) 2(-1.1,0) 3(-1.1,-0.65) 4(1.1,-0.65) 5(1.1,0.65)
  silkscreen extent -1.22,-1.15 0.3,1.52, body extent -1.1,-1.12 1.1,1.12, height 1.1
SOT1061 [mm] "DIODE ARRAY SCHOTTKY 40V 3HUSON"
  rect 0.4x0.5 smd: 1(-0.65,0.8) 2(0.65,0.8)
  rect 0.4x0.26 smd: 3(0,-0.92)
  rect 1.6x1.1 smd: 3(0,-0.25)
  body extent -1.05,-1.05 1.05,1.05, height 0.65
SOT-89-3 [mm] "4.5x2.5 Body; 1.5mm Pitch"
  rect 0.7x1.5 smd: 1(-1.5,-1.275) 3(1.5,-1.275)
  rect 2x2.2 smd: 2(0,1.275)
  rect 1x4.4 smd: 2(0,0.175)
  silkscreen extent -2.4,-2 2.4,1.97, body extent -2.25,-0.67 2.25,1.83, height 1.6
SOT-363 [mm] "2x1.2mm Body; 0.65mm Pitch; 1.9 mm Length"
  rect 0.42x0.6 smd paste+0 mask+0.051: 1(-0.65,-0.95) 2(0,-0.95) 3(0.65,-0.95) 4(0.65,0.95) 5(0,0.95) 6(-0.65,0.95)
  silkscreen extent -1.24,-0.74 1,0.4, body extent -1,-0.6 1,0.6, height 1
SOT-666 [mm] "2x1.6mm Body; 0.5mm Pitch"
  rect 0.5x0.375 smd mask+0.05: 1(-0.85,0.5) 3(-0.85,-0.5) 4(0.85,-0.5) 6(0.85,0.5)
  rect 0.65x0.3 smd mask+0.05: 2(-0.925,0) 5(0.925,0)
  silkscreen extent -0.9,0.85 -0.8,0.95, body extent -0.6,-0.8 0.6,0.8, height 0.55
"TH Test Pad 0.8mm" [mm] "0.8x0.8mm Body"
  round 0.8 hole 0.4 paste-0.5: 1(0,0)
TSSOP8 [mm] "TSOP, 8-Leads, Body 3.00x3.00mm, Pitch 0.65mm, IPC High Density"
  rect 0.7x0.45 smd: 1(-1.9,0.975) 2(-1.9,0.325) 3(-1.9,-0.325) 4(-1.9,-0.975) 5(1.9,-0.975) 6(1.9,-0.325) 7(1.9,0.325) 8(1.9,0.975)
  silkscreen extent -2.02,-1.55 1.15,1.87, body extent -1.99,-1.55 1.99,1.55, height 1.1
XQFN10 [mm] "10 PIN 1.55X2.00X0.50mm"
  oval 0.8x0.2 smd: 1(-0.625,0.75) 2(-0.625,0.25) 3(-0.625,-0.25) 4(-0.625,-0.75) 6(0.625,-0.75) 7(0.625,-0.25) 8(0.625,0.25) 9(0.625,0.75)
  oval 0.2x0.8 smd: 5(0,-0.85) 10(0,0.85)
  silkscreen extent -1.17,1.3 -1.08,1.4, body extent -0.83,-1.05 0.83,1.05, height 0.5
XQFN16 [mm] "16 terminals; body 1.80 x 2.60 x 0.50 mm"
  oval 0.8x0.2 smd: 1(-0.75,0.6) 2(-0.75,0.2) 3(-0.75,-0.2) 4(-0.75,-0.6) 9(0.75,-0.6) 10(0.75,-0.2) 11(0.75,0.2) 12(0.75,0.6)
  oval 0.2x0.8 smd: 5(-0.6,-1.15) 6(-0.2,-1.15) 7(0.2,-1.15) 8(0.6,-1.15) 13(0.6,1.15) 14(0.2,1.15) 15(-0.2,1.15) 16(-0.6,1.15)
  silkscreen extent -1.65,-1.35 1.1,1.55, body extent -0.95,-1.35 0.95,1.35, height 0.5
XR3528UEUGUB [mm] "SMT Led, 4 leads, Body 3.5mm x 2.8mm"
  rect 1x0.8 smd: 1(-1.375,0.75) 2(-1.375,-0.75) 3(1.375,-0.75) 4(1.375,0.75)
  silkscreen extent -2.1,-2 2.1,2, body extent -1.75,-1.7 1.75,1.7, height 1.9
ZX62D-AB-5P8(30) [mm] "CONN RCPT USB MICRO AB SMD"
  rect 0.4x1.35 smd: 1(-1.3,1.225) 2(-0.65,1.225) 3(0,1.225) 4(0.65,1.225) 5(1.3,1.225)
  rrect70% 1.85x1.9 hole 0.7 slot 1.5 at 90 deg: 6(-4.08,-1.45) 6(4.08,-1.45)
  rect 1.2x1.9 all layers, no hole: 6(-3.2,-1.45) 6(3.2,-1.45)
  oval 1x1.8 hole 0.6 slot 0.9 at 90 deg: 6(-2.225,1.45) 6(2.225,1.45)
  rect 1.8x1.9 smd: 6(-1.15,-1.45) 6(1.15,-1.45)
  silkscreen extent -5.33,-2.82 5.33,1.41, body extent -4.32,-4.12 4.33,1.78, height 2.8
ZX62D-B-5P8(30) [mm] "CONN RCPT USB MICRO B SMD"
  rect 1.8x1.9 smd: 0(-1.15,-1.45) 0(1.15,-1.45)
  rect 0.4x1.35 smd: 1(-1.3,1.225) 2(-0.65,1.225) 3(0,1.225) 4(0.65,1.225) 5(1.3,1.225)
  rrect70% 1.85x1.9 hole 0.6 slot 1.5 at 90 deg: 6(-3.625,-1.45) 6(3.625,-1.45)
  rect 1x1.9 all layers, no hole: 6(-3.05,-1.45) 6(3.05,-1.45)
  oval 1.05x1.25 hole 0.65 slot 0.85 at 90 deg: 6(-2.425,1.45) 6(2.425,1.45)
  silkscreen extent -4.85,-2.9 4.85,1.41, body extent -4.05,-4.2 4.05,1.6, height 2.75